# KiCad board VME_Backplane_8ActPas.kicad_pcb
title: 8 SLOT VMEBUS BACKPLANE W/ ACTIVE AND PASSIVE TERM.; date: 2024-01-04; rev: 1; company: TOM STOREY; note: FREE FOR NON-COMMERCIAL USE
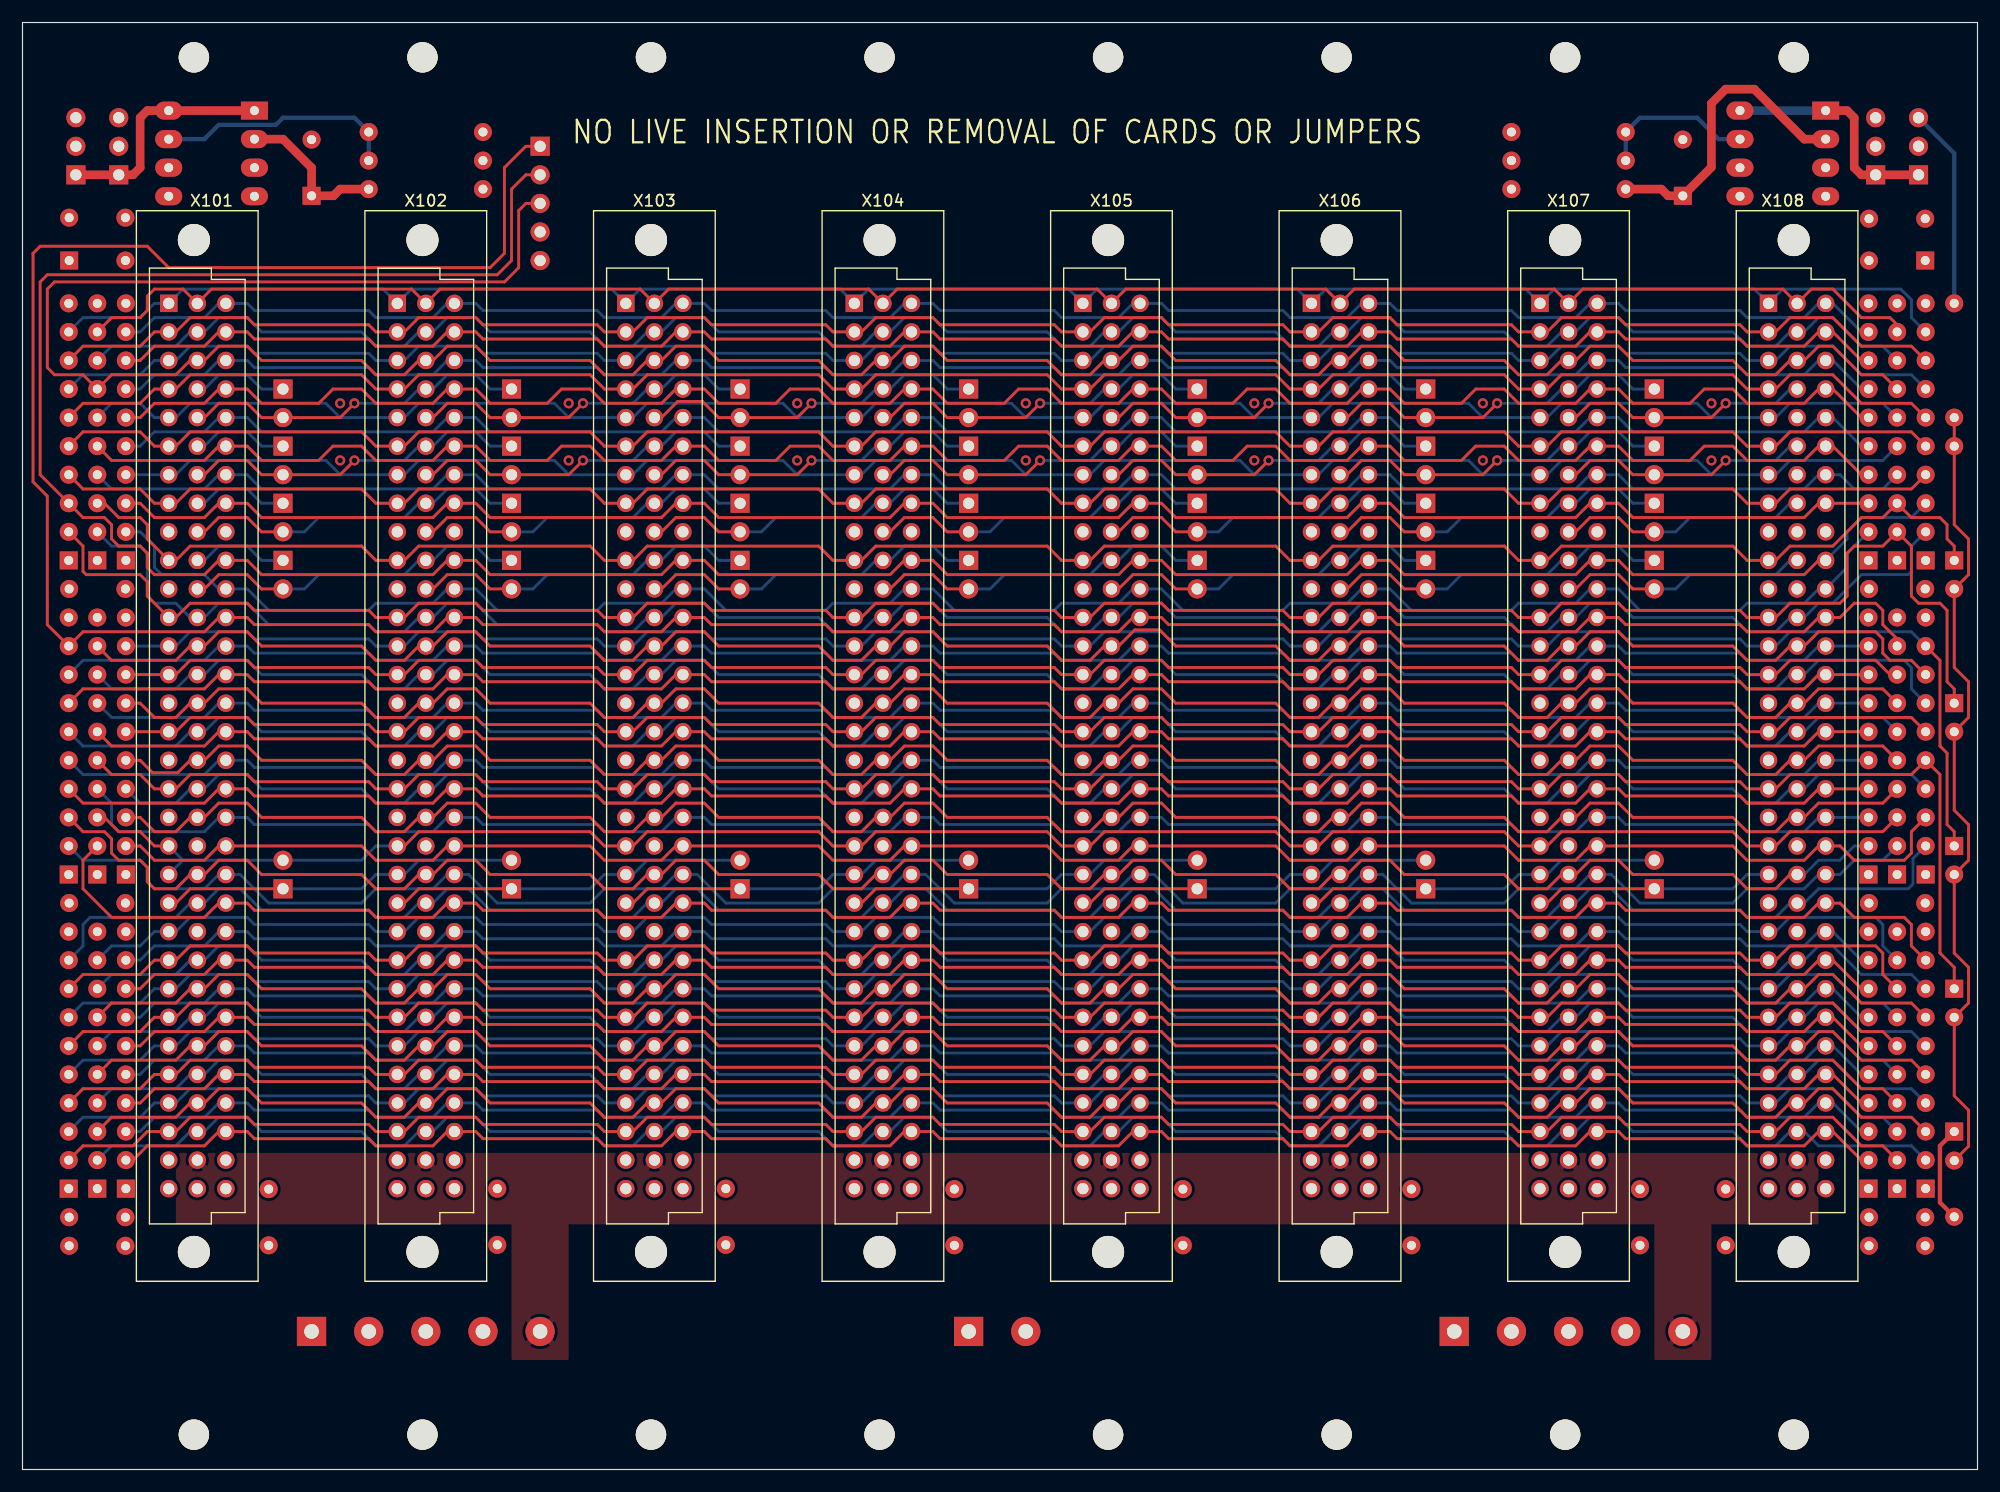
[diagram p0: board, top side]
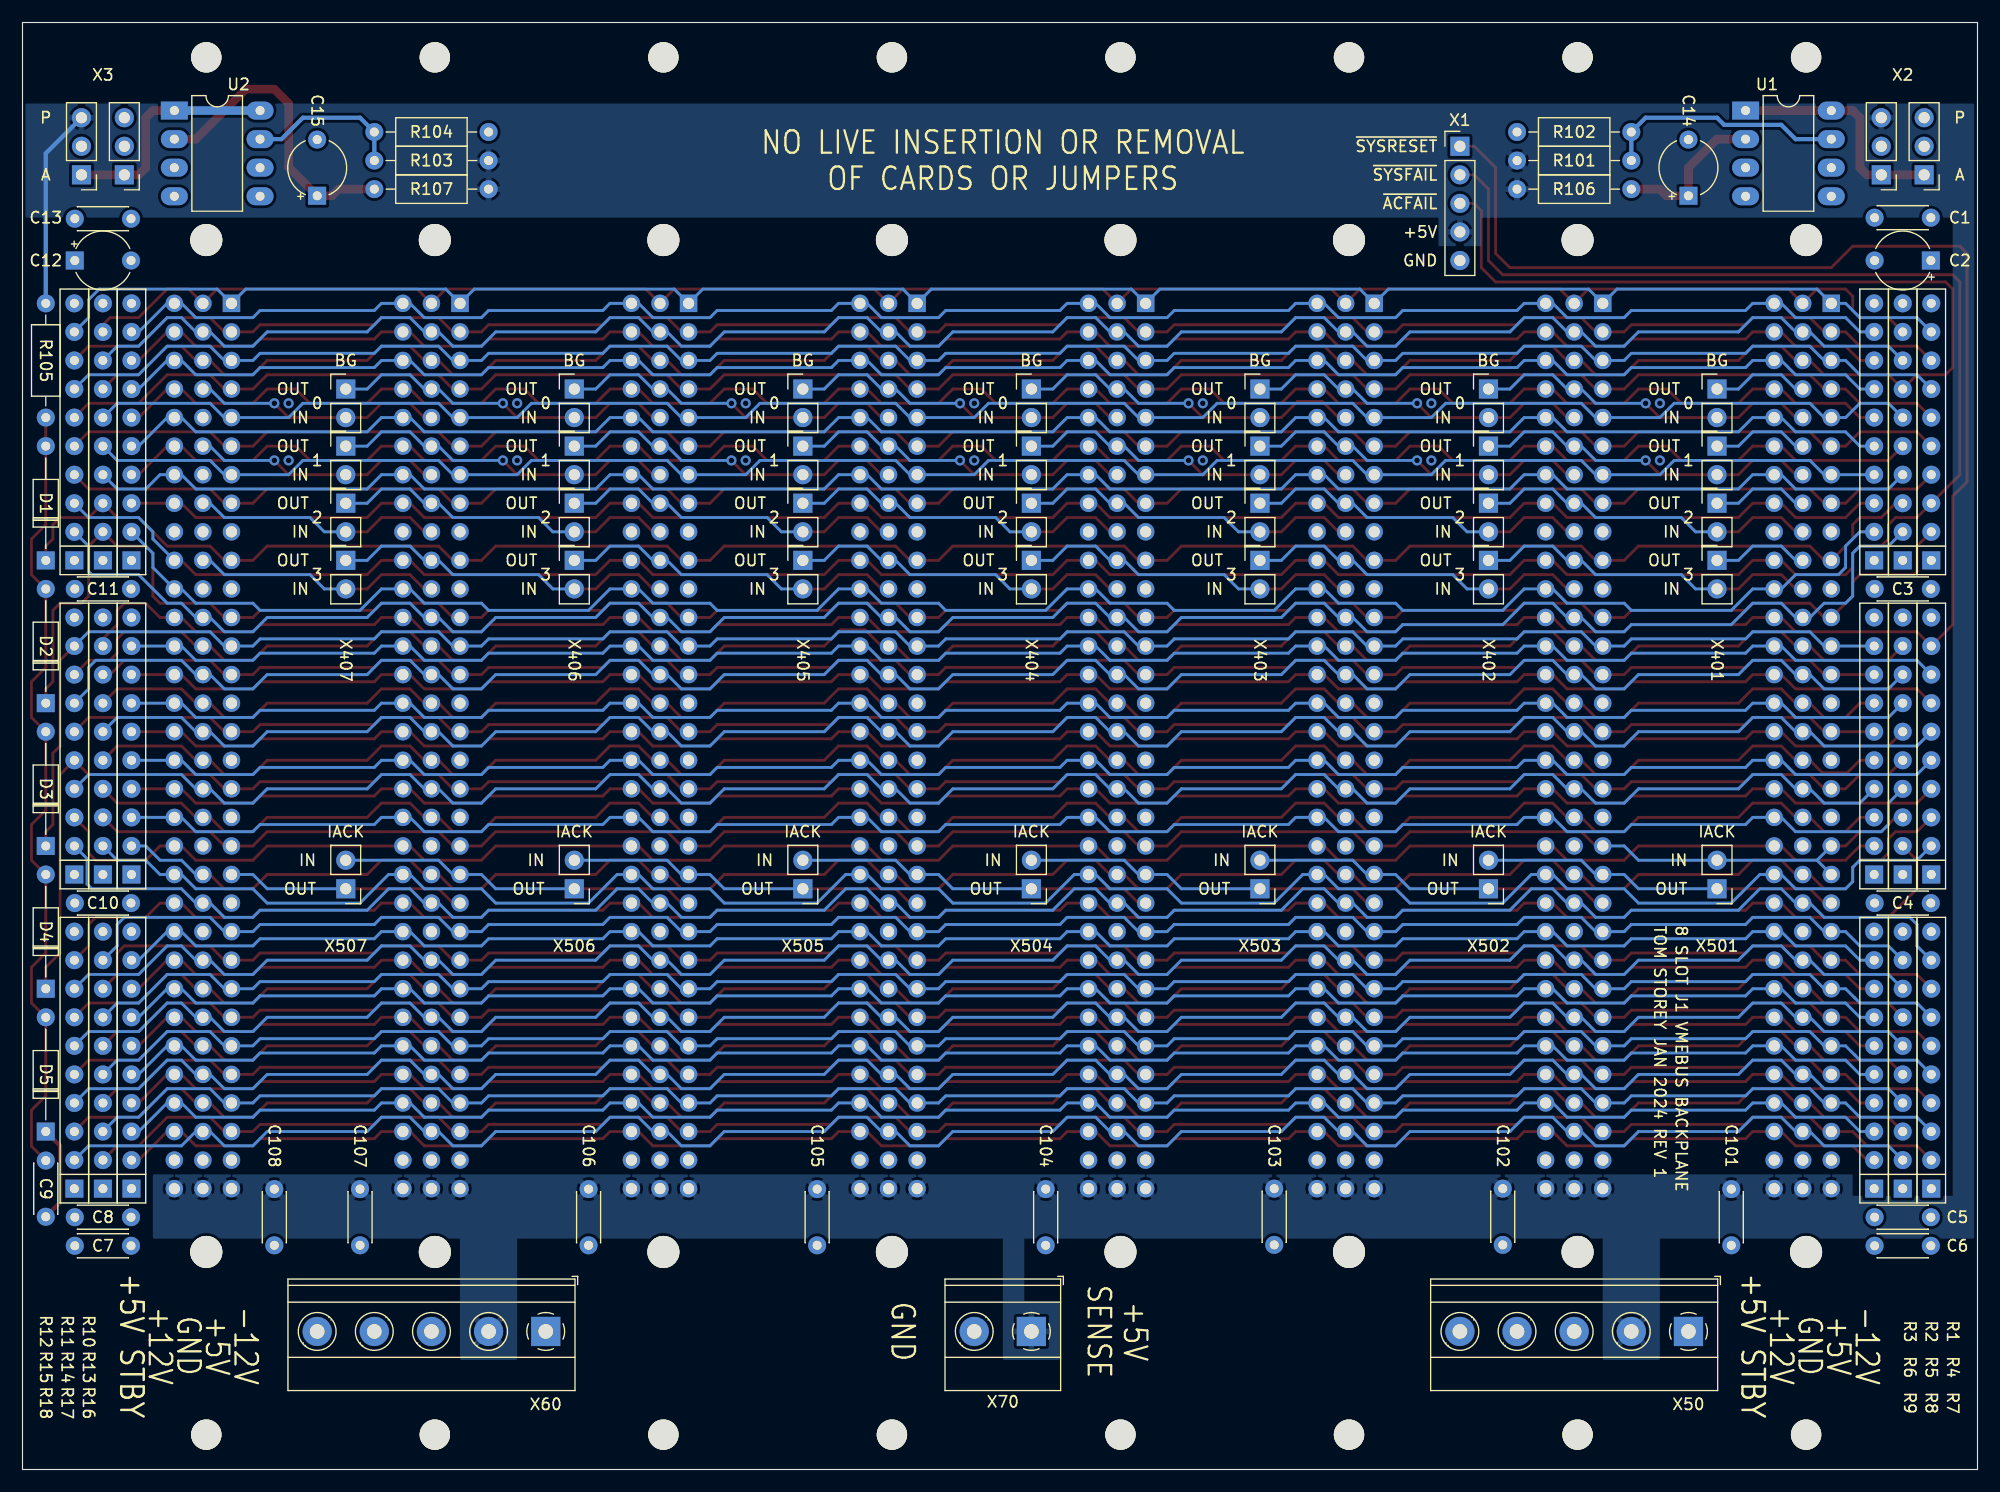
[diagram p1: board, bottom side, seen from below]

Outline 173.82 x 128.7 mm; copper layers: Top, In1.Cu, In2.Cu, Bottom. Coordinates in mm from the lower left corner of the outline.
Outline path: 0,128.7 0,0 173.82,0 173.82,128.7 0,128.7
Stack: Top 0.035mm / dielectric 1.51mm FR4 er 4.5 / In1.Cu 0.035mm / dielectric 1.51mm FR4 er 4.5 / In2.Cu 0.035mm / dielectric 1.51mm FR4 er 4.5 / Bottom 0.035mm

## Placement (name value [footprint] x y rotation side)
C1  100nF  [C_Disc_D4.3mm_W1.9mm_P5.00mm]  4.15 111.34 0 bottom
C2  10uF  [CP_Radial_Tantal_D5.0mm_P5.00mm]  4.15 107.53 0 bottom
C3  100nF  [C_Disc_D4.3mm_W1.9mm_P5.00mm]  4.15 78.32 0 bottom
C4  100nF  [C_Disc_D4.3mm_W1.9mm_P5.00mm]  4.15 50.38 0 bottom
C5  100nF  [C_Disc_D4.3mm_W1.9mm_P5.00mm]  4.15 22.44 0 bottom
C6  100nF  [C_Disc_D4.3mm_W1.9mm_P5.00mm]  4.15 19.9 0 bottom
C7  100nF  [C_Disc_D4.3mm_W1.9mm_P5.00mm]  169.17 19.9 180 bottom
C8  100nF  [C_Disc_D4.3mm_W1.9mm_P5.00mm]  169.17 22.44 180 bottom
C9  100nF  [C_Disc_D4.3mm_W1.9mm_P5.00mm]  171.75 27.48 270 bottom
C10  100nF  [C_Disc_D4.3mm_W1.9mm_P5.00mm]  169.17 50.38 180 bottom
C11  100nF  [C_Disc_D4.3mm_W1.9mm_P5.00mm]  169.17 78.32 180 bottom
C12  10uF  [CP_Radial_Tantal_D5.0mm_P5.00mm]  169.17 107.53 180 bottom
C13  100nF  [C_Disc_D4.3mm_W1.9mm_P5.00mm]  169.17 111.25 180 bottom
C14  10uF  [CP_Radial_Tantal_D5.0mm_P5.00mm]  25.7 113.29 90 bottom
C15  10uF  [CP_Radial_Tantal_D5.0mm_P5.00mm]  147.62 113.29 90 bottom
C101  100nF  [C_Disc_D4.3mm_W1.9mm_P5.00mm]  21.89 24.94 270 bottom
C102  100nF  [C_Disc_D4.3mm_W1.9mm_P5.00mm]  42.21 24.98 270 bottom
C103  100nF  [C_Disc_D4.3mm_W1.9mm_P5.00mm]  62.53 24.98 270 bottom
C104  100nF  [C_Disc_D4.3mm_W1.9mm_P5.00mm]  82.85 24.94 270 bottom
C105  100nF  [C_Disc_D4.3mm_W1.9mm_P5.00mm]  103.17 24.94 270 bottom
C106  100nF  [C_Disc_D4.3mm_W1.9mm_P5.00mm]  123.49 24.94 270 bottom
C107  100nF  [C_Disc_D4.3mm_W1.9mm_P5.00mm]  143.81 24.94 270 bottom
C108  100nF  [C_Disc_D4.3mm_W1.9mm_P5.00mm]  151.43 24.94 270 bottom
D1  BAT42  [D_DO-35_SOD27_P10.16mm_Horizontal]  171.75 80.86 90 bottom
D2  BAT42  [D_DO-35_SOD27_P10.16mm_Horizontal]  171.75 68.16 90 bottom
D3  BAT42  [D_DO-35_SOD27_P10.16mm_Horizontal]  171.75 55.46 90 bottom
D4  BAT42  [D_DO-35_SOD27_P10.16mm_Horizontal]  171.75 42.76 90 bottom
D5  1N4148  [D_DO-35_SOD27_P10.16mm_Horizontal]  171.75 30.06 90 bottom
R1  330R/470R  [R_Array_SIP10]  4.11 80.86 90 bottom
R2  330R/470R  [R_Array_SIP10]  6.65 80.86 90 bottom
R3  330R/470R  [R_Array_SIP10]  9.19 80.86 90 bottom
R4  330R/470R  [R_Array_SIP10]  4.11 52.92 90 bottom
R5  330R/470R  [R_Array_SIP10]  6.65 52.92 90 bottom
R6  330R/470R  [R_Array_SIP10]  9.19 52.92 90 bottom
R7  330R/470R  [R_Array_SIP10]  4.11 24.98 90 bottom
R8  330R/470R  [R_Array_SIP10]  6.65 24.98 90 bottom
R9  330R/470R  [R_Array_SIP10]  9.19 24.98 90 bottom
R10  330R/470R  [R_Array_SIP10]  164.13 80.86 90 bottom
R11  330R/470R  [R_Array_SIP10]  166.67 80.86 90 bottom
R12  330R/470R  [R_Array_SIP10]  169.21 80.86 90 bottom
R13  330R/470R  [R_Array_SIP10]  164.13 52.92 90 bottom
R14  330R/470R  [R_Array_SIP10]  166.67 52.92 90 bottom
R15  330R/470R  [R_Array_SIP10]  169.21 52.92 90 bottom
R16  330R/470R  [R_Array_SIP10]  164.13 24.98 90 bottom
R17  330R/470R  [R_Array_SIP10]  166.67 24.98 90 bottom
R18  330R/470R  [R_Array_SIP10]  169.21 24.98 90 bottom
R101  330R  [R_Axial_DIN0207_L6.3mm_D2.5mm_P10.16mm_Horizontal]  40.94 116.42 180 bottom
R102  470R  [R_Axial_DIN0207_L6.3mm_D2.5mm_P10.16mm_Horizontal]  30.78 118.96 0 bottom
R103  330R  [R_Axial_DIN0207_L6.3mm_D2.5mm_P10.16mm_Horizontal]  142.54 116.42 180 bottom
R104  470R  [R_Axial_DIN0207_L6.3mm_D2.5mm_P10.16mm_Horizontal]  142.54 118.96 180 bottom
R105  220R  [R_Axial_DIN0207_L6.3mm_D2.5mm_P10.16mm_Horizontal]  171.75 103.72 270 bottom
R106  0R  [R_Axial_DIN0207_L6.3mm_D2.5mm_P10.16mm_Horizontal]  30.78 113.88 0 bottom
R107  0R  [R_Axial_DIN0207_L6.3mm_D2.5mm_P10.16mm_Horizontal]  142.54 113.88 180 bottom
REF**  -  [MountingHole_2.7mm_M2.5]  157.48 3.1 0 top
REF**#2  -  [MountingHole_2.7mm_M2.5]  116.84 125.6 0 top
REF**#3  -  [MountingHole_2.7mm_M2.5]  55.88 125.6 0 top
REF**#4  -  [MountingHole_2.7mm_M2.5]  96.52 3.1 0 top
REF**#5  -  [MountingHole_2.7mm_M2.5]  15.24 3.1 0 top
REF**#6  -  [MountingHole_2.7mm_M2.5]  96.52 125.6 0 top
REF**#7  -  [MountingHole_2.7mm_M2.5]  157.48 125.6 0 top
REF**#8  -  [MountingHole_2.7mm_M2.5]  137.16 125.6 0 top
REF**#9  -  [MountingHole_2.7mm_M2.5]  15.24 125.6 0 top
REF**#10  -  [MountingHole_2.7mm_M2.5]  76.2 125.6 0 top
REF**#11  -  [MountingHole_2.7mm_M2.5]  55.88 3.1 0 top
REF**#12  -  [MountingHole_2.7mm_M2.5]  116.84 3.1 0 top
REF**#13  -  [MountingHole_2.7mm_M2.5]  35.56 3.1 0 top
REF**#14  -  [MountingHole_2.7mm_M2.5]  137.16 3.1 0 top
REF**#15  -  [MountingHole_2.7mm_M2.5]  35.56 125.6 0 top
REF**#16  -  [MountingHole_2.7mm_M2.5]  76.2 3.1 0 top
U1  TCA0372  [Package_DIP-8]  16.81 117.06 180 bottom
U2  TCA0372  [Package_DIP-8]  156.51 117.06 180 bottom
X1  Conn_01x05_Male  [PinHeader_1x05_P2.54mm_Vertical]  46.02 117.69 180 bottom
X2H1  HI_L  [PinHeader_1x03_P2.54mm_Vertical]  8.55 115.15 0 bottom
X2L1  LO_L  [PinHeader_1x03_P2.54mm_Vertical]  4.74 115.15 0 bottom
X3H1  HI_R  [PinHeader_1x03_P2.54mm_Vertical]  168.57 115.15 0 bottom
X3L1  LO_R  [PinHeader_1x03_P2.54mm_Vertical]  164.76 115.15 0 bottom
X50  Conn_01x05  [TerminalBlock_Phoenix_MKDS-1,5-5-5.08_1x05_P5.08mm_Horizontal]  25.7 12.28 0 bottom
X60  Conn_01x05  [TerminalBlock_Phoenix_MKDS-1,5-5-5.08_1x05_P5.08mm_Horizontal]  127.3 12.28 0 bottom
X70  Conn_01x02  [TerminalBlock_Phoenix_MKDS-1,5-2-5.08_1x02_P5.08mm_Horizontal]  84.12 12.28 0 bottom
X101  DIN41612_03x32_ABC_VMEbus  [Connector_DIN41612_C_3x32_Female_Vertical_THT]  13 103.72 0 top
X102  DIN41612_03x32_ABC_VMEbus  [Connector_DIN41612_C_3x32_Female_Vertical_THT]  33.32 103.72 0 top
X103  DIN41612_03x32_ABC_VMEbus  [Connector_DIN41612_C_3x32_Female_Vertical_THT]  53.64 103.72 0 top
X104  DIN41612_03x32_ABC_VMEbus  [Connector_DIN41612_C_3x32_Female_Vertical_THT]  73.96 103.72 0 top
X105  DIN41612_03x32_ABC_VMEbus  [Connector_DIN41612_C_3x32_Female_Vertical_THT]  94.28 103.72 0 top
X106  DIN41612_03x32_ABC_VMEbus  [Connector_DIN41612_C_3x32_Female_Vertical_THT]  114.6 103.72 0 top
X107  DIN41612_03x32_ABC_VMEbus  [Connector_DIN41612_C_3x32_Female_Vertical_THT]  134.92 103.72 0 top
X108  DIN41612_03x32_ABC_VMEbus  [Connector_DIN41612_C_3x32_Female_Vertical_THT]  155.24 103.72 0 top
X401A1  Jumper_2_Open  [PinHeader_1x02_P2.54mm_Vertical]  23.16 96.1 180 bottom
X401B1  Jumper_2_Open  [PinHeader_1x02_P2.54mm_Vertical]  23.16 91.02 180 bottom
X401C1  Jumper_2_Open  [PinHeader_1x02_P2.54mm_Vertical]  23.16 85.94 180 bottom
X401D1  Jumper_2_Open  [PinHeader_1x02_P2.54mm_Vertical]  23.16 80.86 180 bottom
X402A1  Jumper_2_Open  [PinHeader_1x02_P2.54mm_Vertical]  43.48 96.1 180 bottom
X402B1  Jumper_2_Open  [PinHeader_1x02_P2.54mm_Vertical]  43.48 91.02 180 bottom
X402C1  Jumper_2_Open  [PinHeader_1x02_P2.54mm_Vertical]  43.48 85.94 180 bottom
X402D1  Jumper_2_Open  [PinHeader_1x02_P2.54mm_Vertical]  43.48 80.86 180 bottom
X403A1  Jumper_2_Open  [PinHeader_1x02_P2.54mm_Vertical]  63.8 96.1 180 bottom
X403B1  Jumper_2_Open  [PinHeader_1x02_P2.54mm_Vertical]  63.8 91.02 180 bottom
X403C1  Jumper_2_Open  [PinHeader_1x02_P2.54mm_Vertical]  63.8 85.94 180 bottom
X403D1  Jumper_2_Open  [PinHeader_1x02_P2.54mm_Vertical]  63.8 80.86 180 bottom
X404A1  Jumper_2_Open  [PinHeader_1x02_P2.54mm_Vertical]  84.12 96.1 180 bottom
X404B1  Jumper_2_Open  [PinHeader_1x02_P2.54mm_Vertical]  84.12 91.02 180 bottom
X404C1  Jumper_2_Open  [PinHeader_1x02_P2.54mm_Vertical]  84.12 85.94 180 bottom
X404D1  Jumper_2_Open  [PinHeader_1x02_P2.54mm_Vertical]  84.12 80.86 180 bottom
X405A1  Jumper_2_Open  [PinHeader_1x02_P2.54mm_Vertical]  104.44 96.1 180 bottom
X405B1  Jumper_2_Open  [PinHeader_1x02_P2.54mm_Vertical]  104.44 91.02 180 bottom
X405C1  Jumper_2_Open  [PinHeader_1x02_P2.54mm_Vertical]  104.44 85.94 180 bottom
X405D1  Jumper_2_Open  [PinHeader_1x02_P2.54mm_Vertical]  104.44 80.86 180 bottom
X406A1  Jumper_2_Open  [PinHeader_1x02_P2.54mm_Vertical]  124.76 96.1 180 bottom
X406B1  Jumper_2_Open  [PinHeader_1x02_P2.54mm_Vertical]  124.76 91.02 180 bottom
X406C1  Jumper_2_Open  [PinHeader_1x02_P2.54mm_Vertical]  124.76 85.94 180 bottom
X406D1  Jumper_2_Open  [PinHeader_1x02_P2.54mm_Vertical]  124.76 80.86 180 bottom
X407A1  Jumper_2_Open  [PinHeader_1x02_P2.54mm_Vertical]  145.08 96.1 180 bottom
X407B1  Jumper_2_Open  [PinHeader_1x02_P2.54mm_Vertical]  145.08 91.02 180 bottom
X407C1  Jumper_2_Open  [PinHeader_1x02_P2.54mm_Vertical]  145.08 85.94 180 bottom
X407D1  Jumper_2_Open  [PinHeader_1x02_P2.54mm_Vertical]  145.08 80.86 180 bottom
X501  Jumper_2_Open  [PinHeader_1x02_P2.54mm_Vertical]  23.16 51.65 0 bottom
X502  Jumper_2_Open  [PinHeader_1x02_P2.54mm_Vertical]  43.48 51.65 0 bottom
X503  Jumper_2_Open  [PinHeader_1x02_P2.54mm_Vertical]  63.8 51.65 0 bottom
X504  Jumper_2_Open  [PinHeader_1x02_P2.54mm_Vertical]  84.12 51.65 0 bottom
X505  Jumper_2_Open  [PinHeader_1x02_P2.54mm_Vertical]  104.44 51.65 0 bottom
X506  Jumper_2_Open  [PinHeader_1x02_P2.54mm_Vertical]  124.76 51.65 0 bottom
X507  Jumper_2_Open  [PinHeader_1x02_P2.54mm_Vertical]  145.08 51.65 0 bottom

## Library data of the parts
D1-D5 = -: Field4: K

## Footprints (pads in the part's own frame, mm; a bottom-side part is the same pattern mirrored in y, then rotated)
C_Disc_D4.3mm_W1.9mm_P5.00mm
  round 1.6 hole 0.8: 1(0,0) 2(5,0)
Connector_DIN41612_C_3x32_Female_Vertical_THT
  round 2.85 hole 2.85 unplated: (2.24,5.63) (2.24,-84.37)
  rect 1.55x1.55 hole 1: a1(0,0)
  round 1.55 hole 1: a2(0,-2.54) a3(0,-5.08) a4(0,-7.62) a5(0,-10.16) a6(0,-12.7) a7(0,-15.24) a8(0,-17.78) a9(0,-20.32) a10(0,-22.86) a11(0,-25.4) a12(0,-27.94) a13(0,-30.48) a14(0,-33.02) a15(0,-35.56) a16(0,-38.1) a17(0,-40.64) a18(0,-43.18) a19(0,-45.72) a20(0,-48.26) a21(0,-50.8) a22(0,-53.34) a23(0,-55.88) a24(0,-58.42) a25(0,-60.96) a26(0,-63.5) a27(0,-66.04) a28(0,-68.58) a29(0,-71.12) a30(0,-73.66) a31(0,-76.2) a32(0,-78.74) b1(2.54,0) b2(2.54,-2.54) b3(2.54,-5.08) b4(2.54,-7.62) b5(2.54,-10.16) b6(2.54,-12.7) b7(2.54,-15.24) b8(2.54,-17.78) b9(2.54,-20.32) b10(2.54,-22.86) b11(2.54,-25.4) b12(2.54,-27.94) b13(2.54,-30.48) b14(2.54,-33.02) b15(2.54,-35.56) b16(2.54,-38.1) b17(2.54,-40.64) b18(2.54,-43.18) b19(2.54,-45.72) b20(2.54,-48.26) b21(2.54,-50.8) b22(2.54,-53.34) b23(2.54,-55.88) b24(2.54,-58.42) b25(2.54,-60.96) b26(2.54,-63.5) b27(2.54,-66.04) b28(2.54,-68.58) b29(2.54,-71.12) b30(2.54,-73.66) b31(2.54,-76.2) b32(2.54,-78.74) c1(5.08,0) c2(5.08,-2.54) c3(5.08,-5.08) c4(5.08,-7.62) c5(5.08,-10.16) c6(5.08,-12.7) c7(5.08,-15.24) c8(5.08,-17.78) c9(5.08,-20.32) c10(5.08,-22.86) c11(5.08,-25.4) c12(5.08,-27.94) c13(5.08,-30.48) c14(5.08,-33.02) c15(5.08,-35.56) c16(5.08,-38.1) c17(5.08,-40.64) c18(5.08,-43.18) c19(5.08,-45.72) c20(5.08,-48.26) c21(5.08,-50.8) c22(5.08,-53.34) c23(5.08,-55.88) c24(5.08,-58.42) c25(5.08,-60.96) c26(5.08,-63.5) c27(5.08,-66.04) c28(5.08,-68.58) c29(5.08,-71.12) c30(5.08,-73.66) c31(5.08,-76.2) c32(5.08,-78.74)
CP_Radial_Tantal_D5.0mm_P5.00mm
  rect 1.6x1.6 hole 0.8: 1(0,0)
  round 1.6 hole 0.8: 2(5,0)
D_DO-35_SOD27_P10.16mm_Horizontal
  rect 1.6x1.6 hole 0.8: 1(0,0)
  oval 1.6x1.6 hole 0.8: 2(10.16,0)
MountingHole_2.7mm_M2.5
  round 2.7 hole 2.7 unplated: (0,0)
Package_DIP-8
  rect 2.4x1.6 hole 0.8: 1(-3.81,3.81)
  oval 2.4x1.6 hole 0.8: 2(-3.81,1.27) 3(-3.81,-1.27) 4(-3.81,-3.81) 5(3.81,-3.81) 6(3.81,-1.27) 7(3.81,1.27) 8(3.81,3.81)
PinHeader_1x02_P2.54mm_Vertical
  rect 1.7x1.7 hole 1: 1(0,0)
  oval 1.7x1.7 hole 1: 2(0,-2.54)
PinHeader_1x03_P2.54mm_Vertical
  rect 1.7x1.7 hole 1: 1(0,0)
  oval 1.7x1.7 hole 1: 2(0,-2.54) 3(0,-5.08)
PinHeader_1x05_P2.54mm_Vertical
  rect 1.7x1.7 hole 1: 1(0,0)
  oval 1.7x1.7 hole 1: 2(0,-2.54) 3(0,-5.08) 4(0,-7.62) 5(0,-10.16)
R_Array_SIP10
  rect 1.6x1.6 hole 0.8: 1(0,0)
  oval 1.6x1.6 hole 0.8: 2(2.54,0) 3(5.08,0) 4(7.62,0) 5(10.16,0) 6(12.7,0) 7(15.24,0) 8(17.78,0) 9(20.32,0) 10(22.86,0)
R_Axial_DIN0207_L6.3mm_D2.5mm_P10.16mm_Horizontal
  round 1.6 hole 0.8: 1(0,0)
  oval 1.6x1.6 hole 0.8: 2(10.16,0)
TerminalBlock_Phoenix_MKDS-1,5-2-5.08_1x02_P5.08mm_Horizontal
  rect 2.6x2.6 hole 1.3: 1(0,0)
  round 2.6 hole 1.3: 2(5.08,0)
TerminalBlock_Phoenix_MKDS-1,5-5-5.08_1x05_P5.08mm_Horizontal
  rect 2.6x2.6 hole 1.3: 1(0,0)
  round 2.6 hole 1.3: 2(5.08,0) 3(10.16,0) 4(15.24,0) 5(20.32,0)

## Nets
+5V: C101.1 C102.1 C103.1 C104.1 C105.1 C106.1 C107.1 C108.1 R101.1 R103.2 R105.1 R106.2 R107.2 X1.4 X2H1.3 X3H1.3 X50.2 X60.2 X70.1 X101.a32 X101.b32 X101.c32 X102.a32 X102.b32 X102.c32 X103.a32 X103.b32 X103.c32 X104.a32 X104.b32 X104.c32 X105.a32 X105.b32 X105.c32 X106.a32 X106.b32 X106.c32 X107.a32 X107.b32 X107.c32 X108.a32 X108.b32 X108.c32
+12V: X50.4 X60.4 X101.c31 X102.c31 X103.c31 X104.c31 X105.c31 X106.c31 X107.c31 X108.c31
-12V: X50.1 X60.1 X101.a31 X102.a31 X103.a31 X104.a31 X105.a31 X106.a31 X107.a31 X108.a31
GND: C1.2 C2.2 C3.2 C4.2 C5.2 C6.2 C7.2 C8.2 C9.2 C10.2 C11.2 C12.2 C13.2 C14.2 C15.2 C101.2 C102.2 C103.2 C104.2 C105.2 C106.2 C107.2 C108.2 D5.1 R102.2 R104.2 U1.4 U2.4 X1.5 X2L1.3 X3L1.3 X50.3 X60.3 X70.2 X101.a9 X101.a11 X101.a15 X101.a17 X101.a19 X101.b20 X101.b23 X101.c9 X102.a9 X102.a11 X102.a15 X102.a17 X102.a19 X102.b20 X102.b23 X102.c9 X103.a9 X103.a11 X103.a15 X103.a17 X103.a19 X103.b20 X103.b23 X103.c9 X104.a9 X104.a11 X104.a15 X104.a17 X104.a19 X104.b20 X104.b23 X104.c9 X105.a9 X105.a11 X105.a15 X105.a17 X105.a19 X105.b20 X105.b23 X105.c9 X106.a9 X106.a11 X106.a15 X106.a17 X106.a19 X106.b20 X106.b23 X106.c9 X107.a9 X107.a11 X107.a15 X107.a17 X107.a19 X107.b20 X107.b23 X107.c9 X108.a9 X108.a11 X108.a15 X108.a17 X108.a19 X108.b20 X108.b23 X108.c9
+BATT: X50.5 X60.5 X101.b31 X102.b31 X103.b31 X104.b31 X105.b31 X106.b31 X107.b31 X108.b31
/Termination Resistors/HI_L: C1.1 C2.1 C3.1 C4.1 C5.1 C6.1 R1.10 R2.10 R3.10 R4.10 R5.10 R6.10 R7.10 R8.10 R9.10 X2H1.2
/Termination Resistors/HI_R: C7.1 C8.1 C10.1 C11.1 C12.1 C13.1 R10.10 R11.10 R12.10 R13.10 R14.10 R15.10 R16.10 R17.10 R18.10 X3H1.2
/Termination Resistors/LO_L: R1.1 R2.1 R3.1 R4.1 R5.1 R6.1 R7.1 R8.1 R9.1 X2L1.2
/Termination Resistors/LO_R: R10.1 R11.1 R12.1 R13.1 R14.1 R15.1 R16.1 R17.1 R18.1 X3L1.2
A1: R7.2 R17.2 X101.a30 X102.a30 X103.a30 X104.a30 X105.a30 X106.a30 X107.a30 X108.a30
A2: R7.3 R17.3 X101.a29 X102.a29 X103.a29 X104.a29 X105.a29 X106.a29 X107.a29 X108.a29
A3: R7.4 R17.4 X101.a28 X102.a28 X103.a28 X104.a28 X105.a28 X106.a28 X107.a28 X108.a28
A4: R7.5 R17.5 X101.a27 X102.a27 X103.a27 X104.a27 X105.a27 X106.a27 X107.a27 X108.a27
A5: R7.6 R17.6 X101.a26 X102.a26 X103.a26 X104.a26 X105.a26 X106.a26 X107.a26 X108.a26
A6: R7.7 R17.7 X101.a25 X102.a25 X103.a25 X104.a25 X105.a25 X106.a25 X107.a25 X108.a25
A7: R7.8 R17.8 X101.a24 X102.a24 X103.a24 X104.a24 X105.a24 X106.a24 X107.a24 X108.a24
A8: R9.2 R16.2 X101.c30 X102.c30 X103.c30 X104.c30 X105.c30 X106.c30 X107.c30 X108.c30
A9: R9.3 R16.3 X101.c29 X102.c29 X103.c29 X104.c29 X105.c29 X106.c29 X107.c29 X108.c29
A10: R9.4 R16.4 X101.c28 X102.c28 X103.c28 X104.c28 X105.c28 X106.c28 X107.c28 X108.c28
A11: R9.5 R16.5 X101.c27 X102.c27 X103.c27 X104.c27 X105.c27 X106.c27 X107.c27 X108.c27
A12: R9.6 R16.6 X101.c26 X102.c26 X103.c26 X104.c26 X105.c26 X106.c26 X107.c26 X108.c26
A13: R9.7 R16.7 X101.c25 X102.c25 X103.c25 X104.c25 X105.c25 X106.c25 X107.c25 X108.c25
A14: R9.8 R16.8 X101.c24 X102.c24 X103.c24 X104.c24 X105.c24 X106.c24 X107.c24 X108.c24
A15: R9.9 R16.9 X101.c23 X102.c23 X103.c23 X104.c23 X105.c23 X106.c23 X107.c23 X108.c23
A16: R5.2 R18.9 X101.c22 X102.c22 X103.c22 X104.c22 X105.c22 X106.c22 X107.c22 X108.c22
A17: R4.2 R14.2 X101.c21 X102.c21 X103.c21 X104.c21 X105.c21 X106.c21 X107.c21 X108.c21
A18: R6.2 R15.3 X101.c20 X102.c20 X103.c20 X104.c20 X105.c20 X106.c20 X107.c20 X108.c20
A19: R5.4 R13.3 X101.c19 X102.c19 X103.c19 X104.c19 X105.c19 X106.c19 X107.c19 X108.c19
A20: R4.4 R13.4 X101.c18 X102.c18 X103.c18 X104.c18 X105.c18 X106.c18 X107.c18 X108.c18
A21: R4.5 R13.5 X101.c17 X102.c17 X103.c17 X104.c17 X105.c17 X106.c17 X107.c17 X108.c17
A22: R5.6 R13.6 X101.c16 X102.c16 X103.c16 X104.c16 X105.c16 X106.c16 X107.c16 X108.c16
A23: R5.7 R13.7 X101.c15 X102.c15 X103.c15 X104.c15 X105.c15 X106.c15 X107.c15 X108.c15
AM: R8.9 R17.9 X101.a23 X102.a23 X103.a23 X104.a23 X105.a23 X106.a23 X107.a23 X108.a23
AM0: R4.6 R14.6 X101.b16 X102.b16 X103.b16 X104.b16 X105.b16 X106.b16 X107.b16 X108.b16
AM1: R6.5 R14.5 X101.b17 X102.b17 X103.b17 X104.b17 X105.b17 X106.b17 X107.b17 X108.b17
AM2: R6.4 R15.4 X101.b18 X102.b18 X103.b18 X104.b18 X105.b18 X106.b18 X107.b18 X108.b18
AM3: R6.3 R14.4 X101.b19 X102.b19 X103.b19 X104.b19 X105.b19 X106.b19 X107.b19 X108.b19
AM5: R4.7 R13.8 X101.c14 X102.c14 X103.c14 X104.c14 X105.c14 X106.c14 X107.c14 X108.c14
D0: R1.9 R12.9 X101.a1 X102.a1 X103.a1 X104.a1 X105.a1 X106.a1 X107.a1 X108.a1
D1: R1.8 R12.8 X101.a2 X102.a2 X103.a2 X104.a2 X105.a2 X106.a2 X107.a2 X108.a2
D2: R1.7 R12.7 X101.a3 X102.a3 X103.a3 X104.a3 X105.a3 X106.a3 X107.a3 X108.a3
D3: R1.6 R12.6 X101.a4 X102.a4 X103.a4 X104.a4 X105.a4 X106.a4 X107.a4 X108.a4
D4: R2.6 R11.6 X101.a5 X102.a5 X103.a5 X104.a5 X105.a5 X106.a5 X107.a5 X108.a5
D5: R1.5 R12.5 X101.a6 X102.a6 X103.a6 X104.a6 X105.a6 X106.a6 X107.a6 X108.a6
D6: R3.4 R11.5 X101.a7 X102.a7 X103.a7 X104.a7 X105.a7 X106.a7 X107.a7 X108.a7
D7: R1.4 R12.4 X101.a8 X102.a8 X103.a8 X104.a8 X105.a8 X106.a8 X107.a8 X108.a8
D8: R3.9 R10.9 X101.c1 X102.c1 X103.c1 X104.c1 X105.c1 X106.c1 X107.c1 X108.c1
D9: R3.8 R10.8 X101.c2 X102.c2 X103.c2 X104.c2 X105.c2 X106.c2 X107.c2 X108.c2
D10: R3.7 R10.7 X101.c3 X102.c3 X103.c3 X104.c3 X105.c3 X106.c3 X107.c3 X108.c3
D11: R3.6 R10.6 X101.c4 X102.c4 X103.c4 X104.c4 X105.c4 X106.c4 X107.c4 X108.c4
D12: R3.5 R10.5 X101.c5 X102.c5 X103.c5 X104.c5 X105.c5 X106.c5 X107.c5 X108.c5
D13: R2.5 R10.4 X101.c6 X102.c6 X103.c6 X104.c6 X105.c6 X106.c6 X107.c6 X108.c6
D14: R2.4 R11.4 X101.c7 X102.c7 X103.c7 X104.c7 X105.c7 X106.c7 X107.c7 X108.c7
D15: R3.3 R10.3 X101.c8 X102.c8 X103.c8 X104.c8 X105.c8 X106.c8 X107.c8 X108.c8
SERCLK: R4.3 R13.2 X101.b21 X102.b21 X103.b21 X104.b21 X105.b21 X106.b21 X107.b21 X108.b21
SYSCLK: D1.1 R2.3 R11.3 X101.a10 X102.a10 X103.a10 X104.a10 X105.a10 X106.a10 X107.a10 X108.a10
T_L: U1.1 U1.8 X2H1.1 X2L1.1
T_R: U2.1 U2.8 X3H1.1 X3L1.1
~{ACFAIL}: R2.7 R11.7 X1.3 X101.b3 X102.b3 X103.b3 X104.b3 X105.b3 X106.b3 X107.b3 X108.b3
~{AS}: D4.1 R5.5 R15.5 X101.a18 X102.a18 X103.a18 X104.a18 X105.a18 X106.a18 X107.a18 X108.a18
~{BBSY}: R2.9 R11.9 X101.b1 X102.b1 X103.b1 X104.b1 X105.b1 X106.b1 X107.b1 X108.b1
~{BCLR}: R2.8 R11.8 X101.b2 X102.b2 X103.b2 X104.b2 X105.b2 X106.b2 X107.b2 X108.b2
~{BERR}: R3.2 R10.2 X101.c11 X102.c11 X103.c11 X104.c11 X105.c11 X106.c11 X107.c11 X108.c11
~{BG0OUT_1}: X101.b5 X102.b4 X401A1.2 X402A1.1
~{BG0OUT_2}: X102.b5 X103.b4 X402A1.2 X403A1.1
~{BG0OUT_3}: X103.b5 X104.b4 X403A1.2 X404A1.1
~{BG0OUT_4}: X104.b5 X105.b4 X404A1.2 X405A1.1
~{BG0OUT_5}: X105.b5 X106.b4 X405A1.2 X406A1.1
~{BG0OUT_6}: X106.b5 X107.b4 X406A1.2 X407A1.1
~{BG0OUT_7}: X107.b5 X108.b4 X407A1.2
~{BG1OUT_1}: X101.b7 X102.b6 X401B1.2 X402B1.1
~{BG1OUT_2}: X102.b7 X103.b6 X402B1.2 X403B1.1
~{BG1OUT_3}: X103.b7 X104.b6 X403B1.2 X404B1.1
~{BG1OUT_4}: X104.b7 X105.b6 X404B1.2 X405B1.1
~{BG1OUT_5}: X105.b7 X106.b6 X405B1.2 X406B1.1